# Altium PCB RevA2.PcbDoc (part 4 of 6)
Units mm, origin at the board's own origin, x right, y up, seen from the top; angles counter-clockwise.
Board outline 173 x 171 mm, 2 copper layers (Top Layer, Top, Bottom Layer, Bottom); 282 components, 411 nets, 1735 pads, 1978 vias.
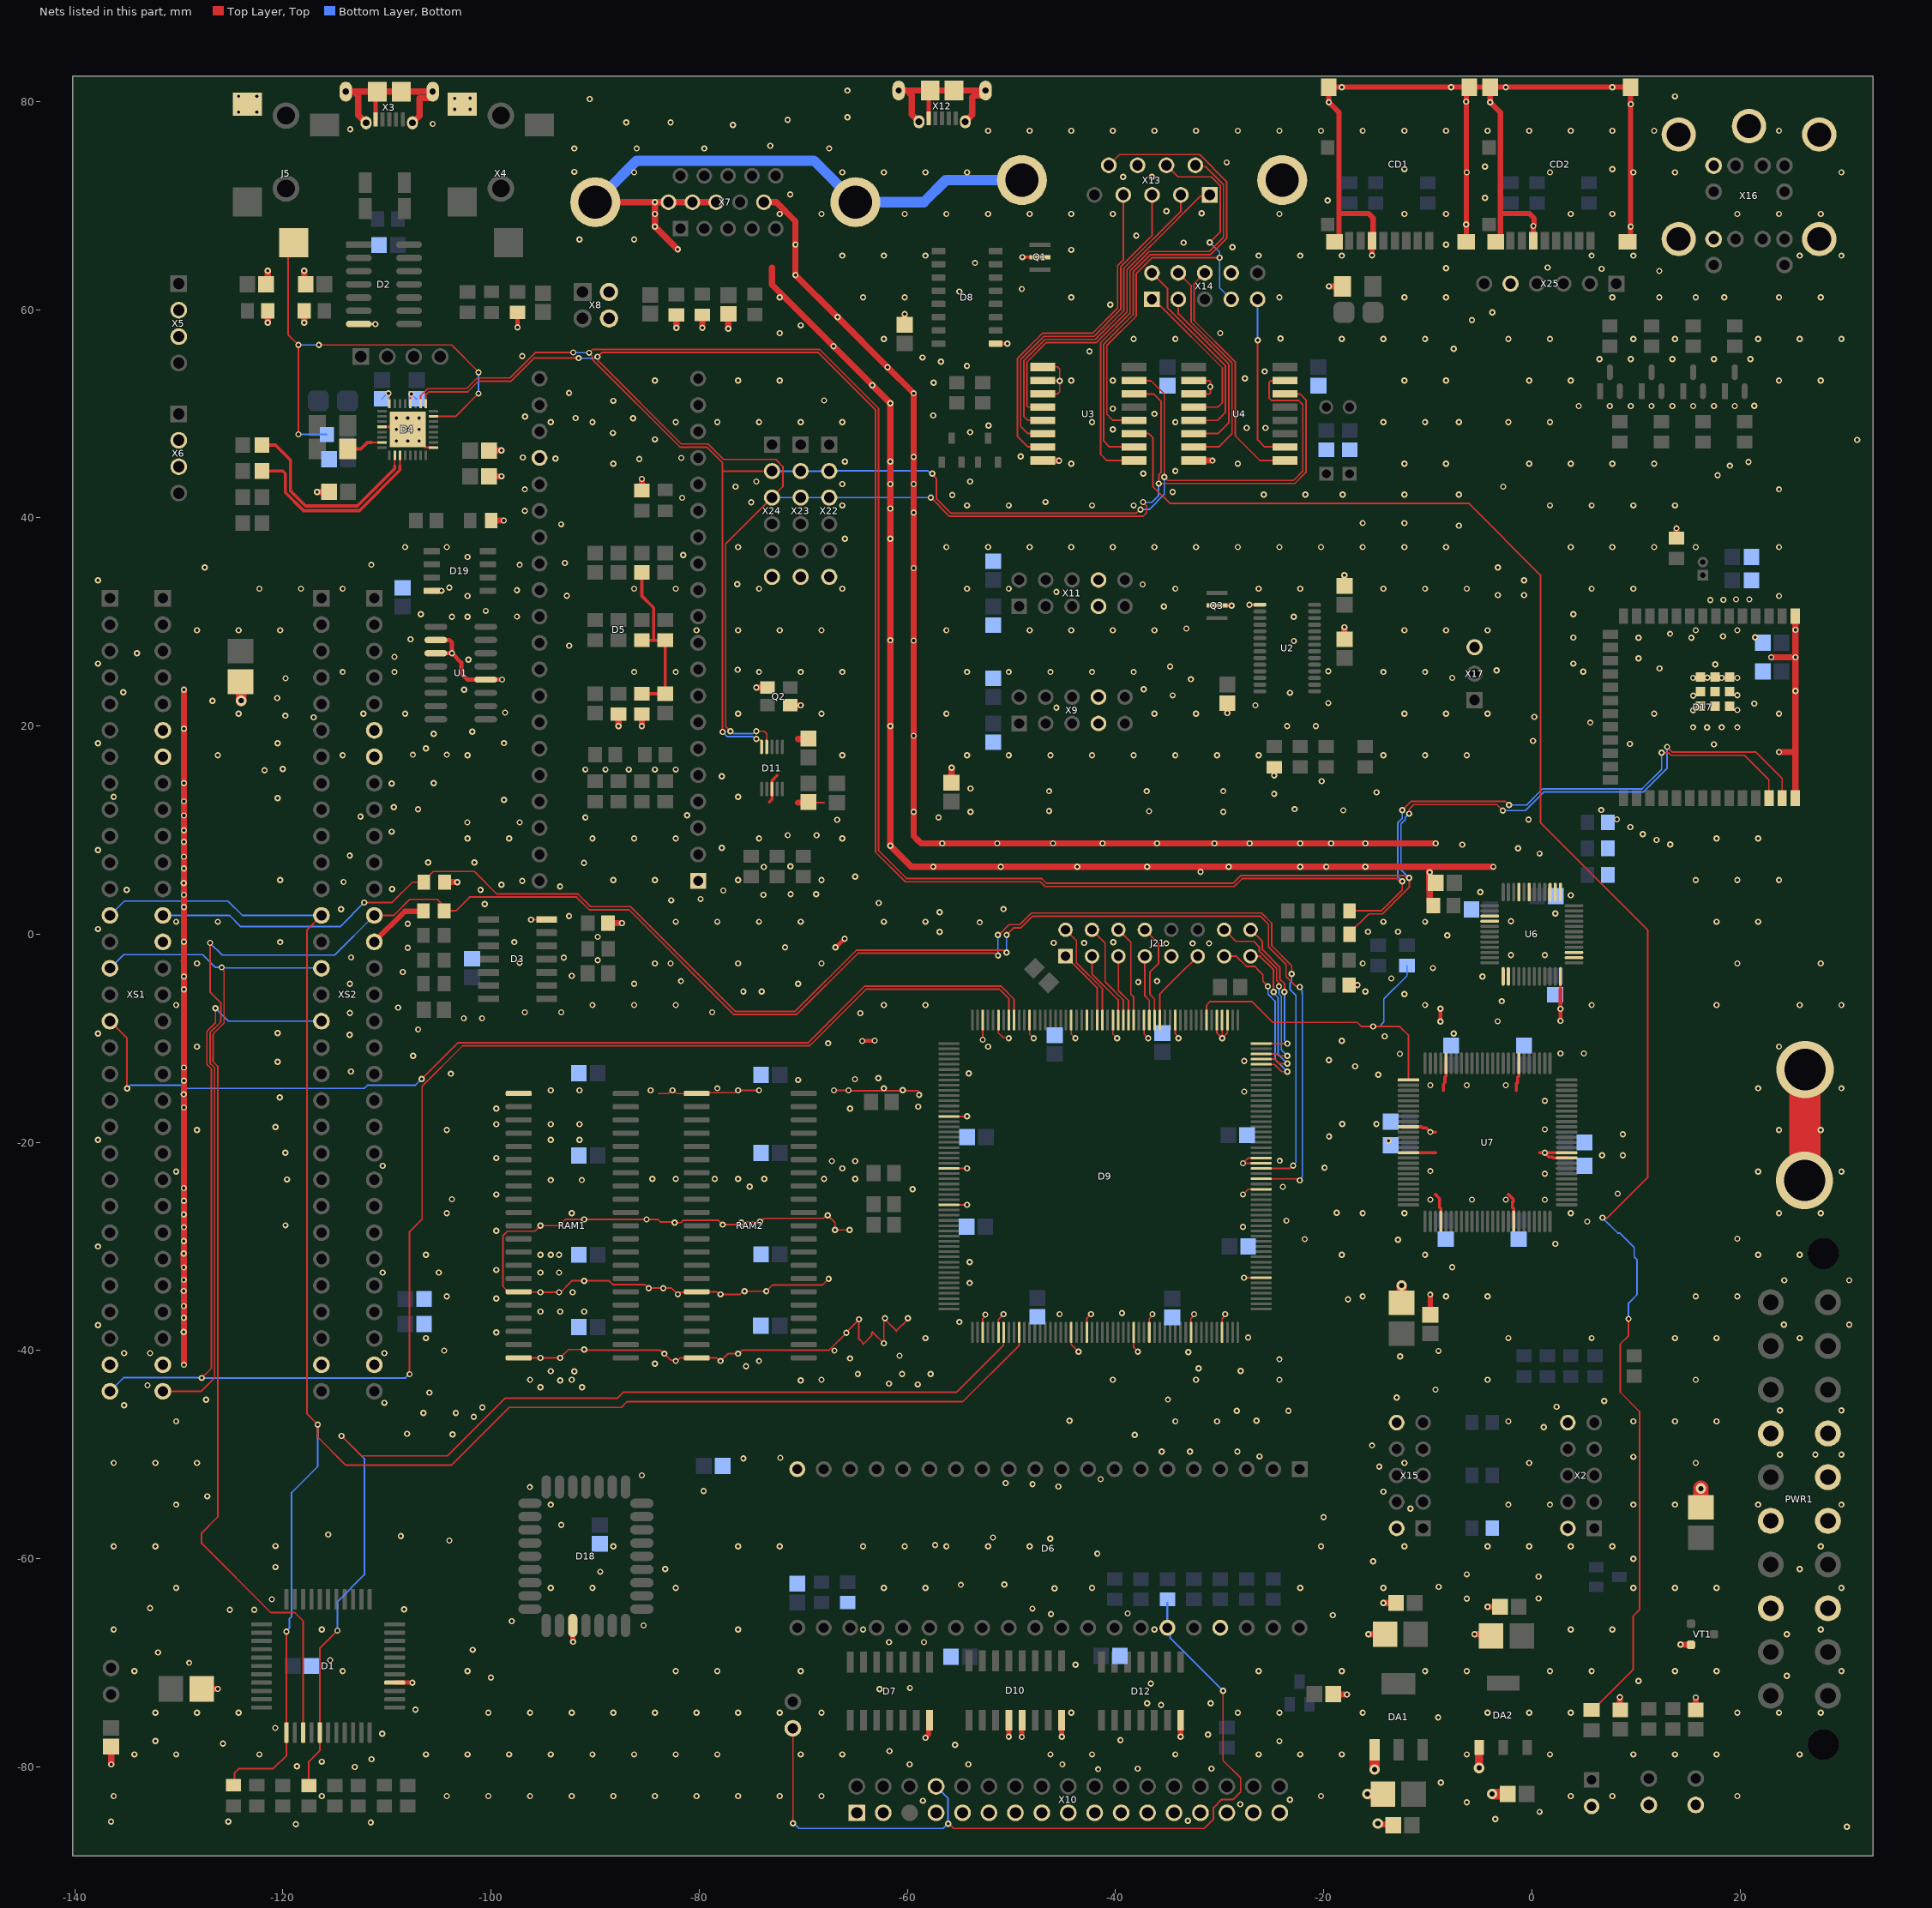
[diagram p4: the nets of this part, all layers, seen from the top]

## Via types
v1: diameter 0.6, hole 0.3, Top Layer, Top to Bottom Layer, Bottom, tented both sides, 1916 vias
v2: diameter 0.6, hole 0.3, Top Layer, Top to Bottom Layer, Bottom, tented bottom, 23 vias
v3: diameter 1, hole 0.5, Top Layer, Top to Bottom Layer, Bottom, tented both sides, 20 vias
v4: diameter 0.6, hole 0.3, Top Layer, Top to Bottom Layer, Bottom, 10 vias
v5: diameter 5.5, hole 3.96, Top Layer, Top to Bottom Layer, Bottom, 6 vias
v6: diameter 1, hole 0.5, Top Layer, Top to Bottom Layer, Bottom, 3 vias

## Nets (pads, with @x,y where several pads share a name; then routed paths per layer and width w, separated by ;. In a path a pad name is that pad's centre, name@x,y a point inside that pad or via, vN(x,y) a via of type N, cw(c..) or ccw(c..) an arc to the next point about the centre after c; other vN are vias at no path point) (continued)
GND: C1.1 C2.1 C3.2 C10.2 C11.2 C12.2 C13.1 C14.2 C15.2 C16.1 C23.2 C24.2 C25.2 C26.2 C27.2 C29.2 C30.2 C32.2 C33.1 C34.2 C35.2 C36.2 C37.2 C38.2 C39.2 C45.1 C46.2 C48.2 C49.2 C50.2 C51.2 C53.2 C54.2 C55.1 C56.1 C57.2 C58.2 C59.2 C61.2 C62.2 C63.2 C64.2 C65.2 C66.2 C67.2 C68.2 C69.2 C70.2 C71.2 C72.2 C73.2 C74.2 C76.2 C77.2 C82.2 C83.2 C84.2 C85.2 C86.2 C87.1 C88.2 C89.2 C90.2 C91.2 C92.2 C93.2 C94.2 C95.2 C96.2 C97.2 C98.2 C99.2 C100.2 C101.2 C102.2 C103.2 C104.2 C105.2 C106.2 C107.2 C108.2 C113.2 C114.2 C115.2 CD1.6 CD1.11 CD1.12 CD1.13 CD1.14 CD2.6 CD2.11 CD2.12 CD2.13 CD2.14 D1.26 D2.7 D3.7 D4.9 D4.20 D4.24 D4.28 D4.33 D5.1 D5.24 D6.20 D6.37 D7.7 D8.1 D9.3 D9.6 D9.20 D9.23 D9.32 D9.35 D9.43 D9.49 D9.59 D9.76 D9.81 D9.82 D9.107 D9.108 D9.109 D9.117 D9.123 D9.129 D9.137 D9.145 D9.151 D9.154 D9.171 D9.181 D9.188 D10.4 D10.5 D10.8 D11.8 D12.7 D17.1 D17.40 D17.EPAD D18.16 D19.4 DA1.1 DA2.1 J3.1 J4.1 J5.1 J21.9 PWR1.3 PWR1.5 PWR1.7 PWR1.13 PWR1.15 PWR1.16 PWR1.17 Q1.2 Q2.2 Q2.4 Q3.2 R9.1 R11.1 R16.1 R19.1 R22.1 R33.1 R34.1 R36.2 R38.1 R63.1 R72.1 R76.2 R84.1 R85.1 R86.1 R87.1 R88.1 R89.1 R100.2 R101.2 R103.1 RAM1.22 RAM1.37 RAM1.42 RAM2.22 RAM2.37 RAM2.42 U1.2 U1.3 U1.12 U2.1 U3.1 U3.2 U3.3 U3.8 U4.2 U4.3 U4.8 U6.1 U6.2 U6.12 U6.14 U6.15 U6.25 U6.26 U6.27 U6.31 U6.33 U6.39 U6.40 U7.10 U7.11 U7.32 U7.46 U7.60 U7.65 U7.79 U7.93 VD5.K VT1.2 X2.2 X2.10 X3.5 X3.6 X3.7 X3.8 X3.9 X3.10 X3.11 X4.1 X5.2 X5.3 X6.2 X6.3 X7.6 X7.7 X7.8 X7.10 X7.M1 X7.M2 X8.2 X8.4 X9.7 X9.8 X10.1 X10.3 X10.7 X10.9 X10.11 X10.13 X10.15 X10.17 X10.19 X10.21 X10.23 X10.25 X10.27 X10.29 X10.31 X10.33 X11.7 X11.8 X12.5 X12.6 X12.7 X12.8 X12.9 X12.10 X12.11 X13.8 X13.M1 X13.M2 X14.8 X15.2 X15.10 X16.3 X16.9 X16.13 X16.14 X16.15 X16.16 X16.17 X17.3 X22.6 X23.6 X24.6 X25.5 XS1.A6 XS1.A7 XS1.A14 XS1.A30 XS1.B30 XS2.A6 XS2.A7 XS2.A14 XS2.A30 XS2.B30 | length 880.2
  Top Layer, Top w0.15: D4.28@-110.475,48.75 -110.473,48.752 -109.827,48.752 ; v1(-109.849,51.964) -109.849,51.842 -109.75,51.744 D4.24@-109.75,50.975 ; D4.20@-107.75,50.975 -107.75,51.688 -107.658,51.78 v1(-107.658,51.902) ; RAM1.42@-97.337,-40.7 v1(-95.25,-40.7) v1(-93.35,-40.7) -92.55,-39.9 v1(-91.05,-39.9) -90.995,-39.955 -83.747,-39.955 -83.402,-40.3 v1(-83.35,-40.3) -82.736,-40.914 -82.336,-40.914 v1(-82.25,-41) -82.128,-41 -81.828,-40.7 RAM2.42@-80.237,-40.7 -78.372,-40.7 -78.072,-41 v1(-77.95,-41) -77.25,-40.3 v1(-76.25,-40.3) -76.197,-40.3 -75.852,-39.955 -67.505,-39.955 v1(-65.85,-38.3) -65.85,-38.2 v1(-64.65,-37) -64.65,-38.885 -64.25,-39.285 -64.25,-39.4 -63.436,-38.586 -63.436,-38.286 -63.35,-38.2 v1(-62.25,-39.3) -62.25,-37.122 -62.15,-37.022 v1@-62.15,-37 ; RAM1.37@-97.337,-34.35 -98.337,-34.35 -98.862,-33.825 -98.862,-28.979 -98.415,-28.532 -95.783,-28.532 v1(-95.25,-28) -93.45,-28 -92.85,-27.4 v1(-91.05,-27.4) v1(-85.05,-27.4) -83.972,-27.4 -83.722,-27.65 -82.4,-27.65 v1(-82.35,-27.7) -81.752,-27.7 -81.527,-27.475 -78.175,-27.475 v1(-77.75,-27.9) -76.272,-27.9 -76.072,-27.7 v1(-75.95,-27.7) -75.9,-27.65 -74.2,-27.65 v1(-74.15,-27.6) -74.028,-27.6 -73.728,-27.3 -68.072,-27.3 -67.772,-27 v1(-67.65,-27) -66.95,-27.7 v1(-66.95,-28.4) v1(-65.55,-28.4) ; RAM1.37@-97.325,-34.375 -95.275,-34.375 v1(-95.25,-34.4) v1(-93.45,-34.4) -93.328,-34.4 -92.228,-33.3 v1(-91.05,-33.3) -88.645,-33.3 -88.295,-33.65 -85.242,-33.65 -84.892,-34 v1(-84.85,-34) v1(-83.45,-34) -82.65,-34 v1(-82.05,-34.6) ; v1(-96.15,1.4) -94.67,1.4 D3.7@-94.65,1.42 ; -83.896,-15.312 -82.98,-15.312 -82.668,-15 v1(-82.55,-15) -82.428,-15 -82.128,-15.3 RAM2.22@-80.237,-15.3 -80.162,-15.225 -76.597,-15.225 -76.372,-15 v1(-76.25,-15) v1(-74.25,-15) ; v1@-81.85,-34.4 -80.237,-34.4 -80.187,-34.35 -78.322,-34.35 -78.072,-34.6 v1(-77.95,-34.6) -76.072,-34.6 -75.772,-34.3 v1(-75.65,-34.3) v1(-73.55,-34.3) -72.95,-33.7 -68.15,-33.7 v1(-67.55,-33.1) ; C90.2@-69.5,12.698 -69.45,12.649 -68,12.649 ; v1(-67.05,-15) v1(-65.65,-15) -65.618,-15.031 -58.982,-15.031 -58.95,-15.063 ; v1(-62.15,-36.9) v1@-62.15,-37 ; -61.05,-38.2 -61.05,-38.1 ; v1(-59.95,-36.9) -59.95,-37 -61.05,-38.1 ; D9.188@-56,-26 v1(-54.25,-26) ; D9.181@-56,-22.5 v1(-54.25,-22.5) ; D9.171@-56,-17.5 v1(-54.25,-17.5) ; D9.3@-52.75,-38.25 -52.75,-36.919 -52.5,-36.669 v1(-52.5,-36.548) ; v1(-52.75,-10.134) -52.75,-9.4 D9.154@-52.75,-8.25 ; D9.6@-51.25,-38.25 -51.25,-37 v1(-50.75,-36.5) ; D9.151@-51.25,-8.25 -51.25,-9.475 -50.775,-9.95 -50.3,-9.95 v1(-50.25,-10) ; D9.145@-48.25,-8.25 -48.25,-9.6 v1(-47.85,-10) ; U3.3@-47,51.91 -45.575,51.91 -45.362,52.123 v1(-45.362,53.17) ; U3.2@-47,53.18 -46.99,53.17 v1(-45.362,53.17) ; U3.1@-46.755,54.52 -45.575,54.52 -45.362,54.306 v1(-45.362,53.17) ; D9.20@-44.25,-38.25 -44.25,-39.4 v1(-43.55,-40.1) ; D9.137@-44.25,-8.25 -44.25,-9.6 v1(-43.85,-10) ; D9.23@-42.75,-38.25 -42.75,-36.9 v1(-42.35,-36.5) ; D9.129@-40.25,-8.25 -40.25,-9.6 v1(-39.85,-10) ; D9.32@-38.25,-38.25 -38.25,-39.7 v1(-37.85,-40.1) ; D9.123@-37.25,-8.25 -37.25,-9.6 v1(-36.85,-10) ; D9.35@-36.75,-38.25 -36.75,-36.922 -36.45,-36.622 v1(-36.45,-36.5) ; D9.117@-34.25,-8.25 -34.25,-9.578 -33.95,-9.878 v1(-33.95,-10) ; D9.43@-32.75,-38.25 -32.75,-36.922 -32.45,-36.622 v1(-32.45,-36.5) ; U4.3@-32.5,51.91 -30.976,51.91 -30.888,51.998 v1(-30.888,52.598) -30.888,53.092 -30.976,53.18 U4.2@-32.5,53.18 ; D9.109@-30.25,-8.25 -30.25,-9.5 v1(-29.75,-10) ; D9.49@-29.75,-38.25 -29.75,-36.922 -29.45,-36.622 v1(-29.45,-36.5) ; D9.108@-29.75,-8.25 v1(-29.75,-10) ; D9.107@-29.25,-8.25 -29.25,-9.5 v1(-29.75,-10) ; v1(-27.75,-25) -27.25,-24.5 D9.76@-26,-24.5 ; v1(-27.65,-33) D9.59@-26,-33 ; D9.81@-26.05,-22 v1(-27.75,-22) -27.25,-21.5 D9.82@-26,-21.5 ; v1@-62.15,-37 -61.05,-38.1
  Top Layer, Top w0.2: v4(-106.9,47.4) -106.275,46.775 -105.55,46.775 D4.9@-105.525,46.75 ; 2.75,-5.25 U6.12@2.75,-4.05
  Top Layer, Top w0.3: D2.7@-112.7,58.63 -112.694,58.624 -111.113,58.624 v1(-111.107,58.619) ; -109.827,48.752 -108.252,48.752 v4(-108,48.5) ; -73.25,12.698 -73,12.948 D11.8@-73,13.95 -73,14.75 -72.5,15.25 ; v4(-48.95,65.05) Q1.2@-47.25,65.05 ; Q3.2@-30.25,31.58 v1(-28.847,31.579) ; v1(-27.126,31.665) -27.124,31.663 -26.128,31.663 U2.1@-26.125,31.66 ; U7.65@-11.85,-21 -9.25,-21 ; U7.60@-11.85,-18.5 -10.599,-18.5 -10.499,-18.6 -10.15,-18.6 v1(-9.75,-19) -9.25,-19 ; -9.25,-25 -8.853,-25.397 -8.853,-26.25 -8.75,-26.353 U7.79@-8.75,-27.6 ; -8.5,-15 -8.5,-14.394 -8.35,-14.243 -8.35,-13.751 -8.25,-13.651 U7.46@-8.25,-12.4 ; -2.25,-25 -1.8,-25.45 -1.8,-25.701 -1.85,-25.751 -1.85,-26.249 -1.75,-26.349 U7.93@-1.75,-27.6 ; -1.5,-15 -1.5,-14.384 -1.35,-14.234 -1.35,-13.751 -1.25,-13.651 U7.32@-1.25,-12.4 ; 0.75,-21 v1(1.25,-21) ; U7.10@3.35,-21.5 2.099,-21.5 1.999,-21.4 1.65,-21.4 v1(1.25,-21) ; U7.11@3.35,-21 v1(1.25,-21)
  Top Layer, Top w0.4: X3.5@-111.075,78.285 -111.075,80.81 X3.10@-110.925,80.96 ; D1.26@-109.25,-71.9 v1(-107.55,-71.9) ; U1.3@-105.3,27 v1(-103.75,27) ; U1.2@-105.3,28.27 -103.984,28.27 -103.75,28.036 v1(-103.75,27) ; v1(-98.928,24.464) -98.93,24.462 -100.498,24.462 U1.12@-100.5,24.46 -102.266,24.46 -102.856,25.05 -102.856,26.106 v1(-103.75,27) ; v1(-97.45,58.31) R16.1@-97.45,59.41 ; v1(-66.897,-1.248) -66.865,-1.248 -66.052,-0.434 v1(-66.019,-0.434) ; v1@-64.33,-10.257 -64.313,-10.24 -63.157,-10.24 v1(-63.138,-10.221) ; X12.5@-57.954,78.387 -57.954,80.912 X12.10@-57.804,81.062 ; D8.1@-51.504,56.747 v1(-50.388,56.746) ; v1(-8.776,-8.376) v1(-8.776,-7.158) ; 2.75,-5.25 2.75,-7.175 2.752,-7.177 2.752,-8.327 v1(2.754,-8.329)
  Top Layer, Top w0.5: XS2.A14@-111.178,-0.7 -108.278,2.2 R9.1@-106.65,2.2 ; D18.16@-92.162,-66.769 -92.13,-66.801 -92.13,-67.962 v1(-92.111,-67.981) ; v1(-58.25,-77.2) -58.25,-77.173 -57.945,-76.868 -57.945,-75.595 D7.7@-57.87,-75.52 ; v1(-50.25,-77.1) D10.4@-50.25,-75.52 ; v1(-48.998,-77.123) -48.989,-77.114 -48.989,-75.529 D10.5@-48.98,-75.52 ; D10.8@-45.17,-75.52 -45.16,-75.53 -45.16,-77.09 v1(-45.15,-77.1) ; v1(-33.75,-77.1) -33.745,-77.095 -33.745,-75.525 D12.7@-33.74,-75.52 ; CD1.14@-18.964,66.537 -18.514,66.987 -18.514,69.25 ; v1(-15.354,65.229) CD1.6@-15.354,66.627 -15.25,66.731 -15.25,68.811 -15.689,69.25 -18.514,69.25 ; C54.2@-9.754,-36.063 v1(-9.754,-34.613) ; CD1.13@-6.304,66.537 v1(-6.304,68.187) v1(-6.304,80) -6.304,81.087 CD1.12@-6.004,81.387 ; CD2.14@-3.464,66.537 -3.014,66.987 -3.014,69.25 ; CD2.6@0.146,66.627 v1(0.146,68.046) ; v1@0.165,68.073 0.165,68.092 0.212,68.139 0.212,68.796 -0.242,69.25 -3.014,69.25 ; CD2.13@9.196,66.537 9.496,66.837 v1(9.496,68) 9.498,68.002 9.498,79.748 v1(9.5,79.75) 9.5,81.383 CD2.12@9.496,81.387 v1(7.75,81.387) v1(-2.5,81.387) CD2.11@-4.004,81.387 ; -18.514,69.25 -18.514,78.955 v1(-19.504,79.945) CD1.11@-19.504,81.387 v1(-18.25,81.387) v1(-7.75,81.387) CD1.12@-6.004,81.387 ; CD1.12@-6.004,81.387 CD2.11@-4.004,81.387 ; CD2.11@-4.004,81.387 v1(-4.004,79.945) -3.014,78.955 -3.014,69.25
  Top Layer, Top w0.6: v1(-136.477,-79.75) C3.2@-136.477,-78.6 ; v1(-129.507,-36.855) -129.507,-38.215 v1(-129.512,-38.22) -129.5,-38.231 v1(-129.5,-41.37) ; v1(-129.507,-35.724) -129.507,-34.297 v1(-129.53,-34.275) -129.507,-34.252 v1@-129.507,-32.017 ; v1(-129.507,-32.01) -129.507,-32.002 -129.511,-31.999 v1(-129.511,-30.68) -129.507,-30.677 v1(-129.507,-29.47) -129.506,-29.468 v1(-129.506,-28.145) -129.506,-26.931 v1(-129.507,-26.93) -129.506,-26.928 v1(-129.506,-25.605) -129.506,-24.391 v1(-129.507,-24.39) ; v1@-129.5,-36.855 v1@-129.5,-35.724 ; v1@-129.5,-24.39 v1@-129.5,-16.641 ; v1@-129.5,-14.075 v1(-129.5,-12.817) -129.5,-10.75 -129.5,-5.287 v1(-129.502,-5.285) -129.5,-5.283 -129.5,-2.541 -129.51,-2.531 -129.5,-2.522 v1(-129.5,-0.73) -129.5,1.01 v1(-129.5,2.61) -129.5,4.904 v1(-129.512,4.916) -129.5,4.928 v1(-129.5,7.456) v1(-129.5,8.865) v1(-129.5,9.996) v1(-129.5,11.405) v1(-129.5,12.77) v1(-129.5,14.51) -129.5,17.05 v1(-129.5,19.75) v1(-129.5,23.5) ; v1(-129.495,-16.641) -129.5,-16.636 -129.5,-15.402 v1(-129.527,-15.375) -129.5,-15.349 -129.5,-14.079 v1(-129.495,-14.075) ; C11.2@-127.8,-72.5 v1(-126.25,-72.5) ; C1.1@-121.601,62.44 -121.451,62.591 v1(-121.451,63.75) ; v1(-121.451,58.75) R84.1@-121.45,59.9 ; v1(-117.952,58.75) R85.1@-117.952,59.9 ; v1(-117.952,63.75) -117.952,62.591 C2.1@-117.802,62.44 ; v1(-116.7,42.5) C30.2@-115.552,42.5 ; X3.11@-113.95,80.96 -113.162,80.96 ; X3.7@-112,77.96 -112.75,78.71 -112.75,80.548 -113.162,80.96 ; X3.6@-107.55,77.96 -107.55,77.962 -106.875,78.637 -106.875,80.31 -106.86,80.325 -106.048,80.325 -105.6,80.773 X3.8@-105.6,80.96 -106.387,80.96 X3.9@-108.625,80.96 X3.10@-110.925,80.96 -113.162,80.96 ; D19.4@-105.7,33 v1(-104.75,33) ; R11.1@-104.448,5 -104.433,5.014 -103.264,5.014 v1(-103.25,5) ; C32.2@-100.198,44 v1(-99,44) ; C25.2@-100.198,46.475 v1(-99,46.475) ; R22.1@-99.996,39.75 v1(-98.769,39.75) ; X7.M2@-89.982,70.332 v1(-84.25,70.332) ; R19.1@-88.75,1.073 v1(-87.425,1.073) ; v1(-87.75,20) R100.2@-87.75,21.15 ; v1(-85.5,20) R101.2@-85.5,21.15 ; R103.1@-85.5,42.637 v1(-85.5,43.75) ; v1(-82.2,58.26) R33.1@-82.2,59.41 ; v1(-82.052,65.817) -82.059,65.817 -84.242,68 v1(-84.25,68) v1(-84.25,70.332) ; v1(-79.7,58.26) R34.1@-79.7,59.617 ; X7.8@-78.362,70.332 X7.7@-80.652,70.332 X7.6@-82.942,70.332 v1(-84.25,70.332) ; v1@-77.203,58.235 C34.2@-77.203,59.385 ; v1(-74.5,23.7) Q2.4@-73.45,23.7 ; X7.10@-73.782,70.332 -72.582,70.332 -70.75,68.5 v1(-70.75,66.25) v1(-70.75,63.336) v1(-66.707,59.293) v1(-61.902,54.489) v1(-59.391,51.977) v1(-59.391,45.875) v1(-59.391,43.25) v1(-59.391,40.521) v1(-59.391,35.18) v1(-59.391,28.215) v1(-59.391,19.07) v1(-59.391,11.75) -59.391,9.431 -58.959,9 -58.684,8.725 v1(-56.645,8.725) v1(-51.354,8.725) v1(-46,8.725) v1(-41.25,8.725) v1(-36,8.725) v1(-30.5,8.725) v1(-27.108,8.725) v1(-22.245,8.725) v1(-19.292,8.725) v1(-16,8.725) v1(-9.239,8.725) ; -73,64.057 -73,62.404 v1(-67.094,56.499) -63.366,52.77 v1(-63.366,52.75) v1(-61.641,51.025) v1(-61.641,45.408) v1(-61.641,43.25) v1(-61.641,40.898) v1(-61.641,38) v1(-61.641,28.25) v1(-61.641,8.499) -59.616,6.475 v1(-57.5,6.475) v1(-51.025,6.475) v1(-43.676,6.475) v1(-22.245,6.475) v1(-19.75,6.475) v1(-16,6.475) -9.849,6.475 ; Q2.2@-71.25,22 v1(-70.25,22) ; -70.5,12.649 -69.55,12.649 C90.2@-69.5,12.698 ; -70.5,18.75 -69.552,18.75 C91.2@-69.5,18.802 ; X12.11@-60.829,81.062 -60.041,81.062 ; C38.2@-60.25,58.559 v1(-60.25,59.597) ; X12.7@-58.879,78.062 -59.575,78.758 -59.575,80.595 -60.041,81.062 ; C62.2@-55.75,15.05 v1(-55.75,16) ; X12.6@-54.429,78.062 -54.429,78.063 -53.754,78.738 -53.754,80.412 -53.579,80.587 -52.954,80.587 X12.8@-52.479,81.062 -53.266,81.062 X12.9@-55.504,81.062 X12.10@-57.804,81.062 -60.041,81.062 ; U3.8@-47,45.51 -46.996,45.506 v1(-45.427,45.506) ; U4.8@-32.5,45.51 v1(-30.682,45.51) ; v1(-29.25,21.25) C36.2@-29.25,22.198 ; v1(-24.75,15.25) R36.2@-24.75,16.042 ; v1(-19.5,62.25) C33.1@-18.2,62.25 ; C45.1@-18.7,-73 -18.662,-73.038 v1(-17.75,-73.038) ; C39.2@-18,28.342 v1(-18,29.5) ; C35.2@-18,33.462 v1(-18,34.5) ; R63.1@-17.547,-4.883 v1(-16.75,-4.883) ; v1(-15.694,-67.249) -14.189,-67.249 C49.2@-14.054,-67.113 ; v3(-14.793,-85.44) -14.716,-85.517 -13.401,-85.517 C50.2@-13.315,-85.603 ; v1(-14.25,-64.25) C51.2@-13.052,-64.25 ; R89.1@-9.462,2.75 -9.809,3.098 -9.809,4.25 -9.849,4.29 -9.849,6.475 ; v1(-5.5,-67.25) -4.191,-67.25 C57.2@-4.054,-67.113 ; v1(-4.25,-64.613) C58.2@-3.055,-64.613 ; v1(-3.695,6.471) -3.698,6.475 -9.849,6.475 ; v1(8.455,-73.314) 8.455,-74.466 C13.1@8.5,-74.511 ; R76.2@13.892,38.06 v1(13.892,39) ; v1(14.285,-68.246) 14.305,-68.266 VT1.2@15.29,-68.266 ; C16.1@15.746,-74.511 15.755,-74.502 v1(15.755,-73.33) ; v1(23,26.61) v1(25.322,26.61) ; v1(23.75,17.5) 25.322,17.5 ; D17.40@25.322,13.075 25.322,17.5 ; D17.1@25.322,30.575 v1(25.322,29.25) v1(25.322,26.61) ; 25.322,17.5 v1(25.322,23.386) v1(25.322,26.61)
  Top Layer, Top w0.8: v3@-5.066,-80.105 -5.061,-80.1 DA2.1@-5.061,-78.211
  Top Layer, Top w1: v3(-124,22.432) C14.2@-124,24.451 ; v3@-15.754,-82.613 C48.2@-14.304,-82.613 ; v3@-15.104,-80.263 DA1.1@-15.104,-78.363 ; C53.2@-12.5,-35.317 v3(-12.5,-33.75) ; v3@-3.754,-82.613 C59.2@-2.305,-82.613
  Top Layer, Top w1.5: C61.2@16.25,-55.05 v3(16.25,-53.25)
  Top Layer, Top w3: v5(26.2,-23.64) 26.225,-23.615 26.225,-13.025 v5(26.25,-13)
  Bottom Layer, Bottom w0.15: C23.2@-110.475,51.448 -109.959,51.964 v1(-109.849,51.964) ; v1(-107.658,51.902) -107.205,51.448 C24.2@-107.125,51.448
  Bottom Layer, Bottom w1: X7.M2@-89.73,71.292 -89.022,71.292 -85.992,74.322 -68.972,74.322 X7.M1@-64.982,70.332 -58.418,70.332 -56.292,72.458 X13.M2@-48.986,72.458